# Altium PCB BEE_BOARD.PcbDoc (part 1 of 3) (continued)
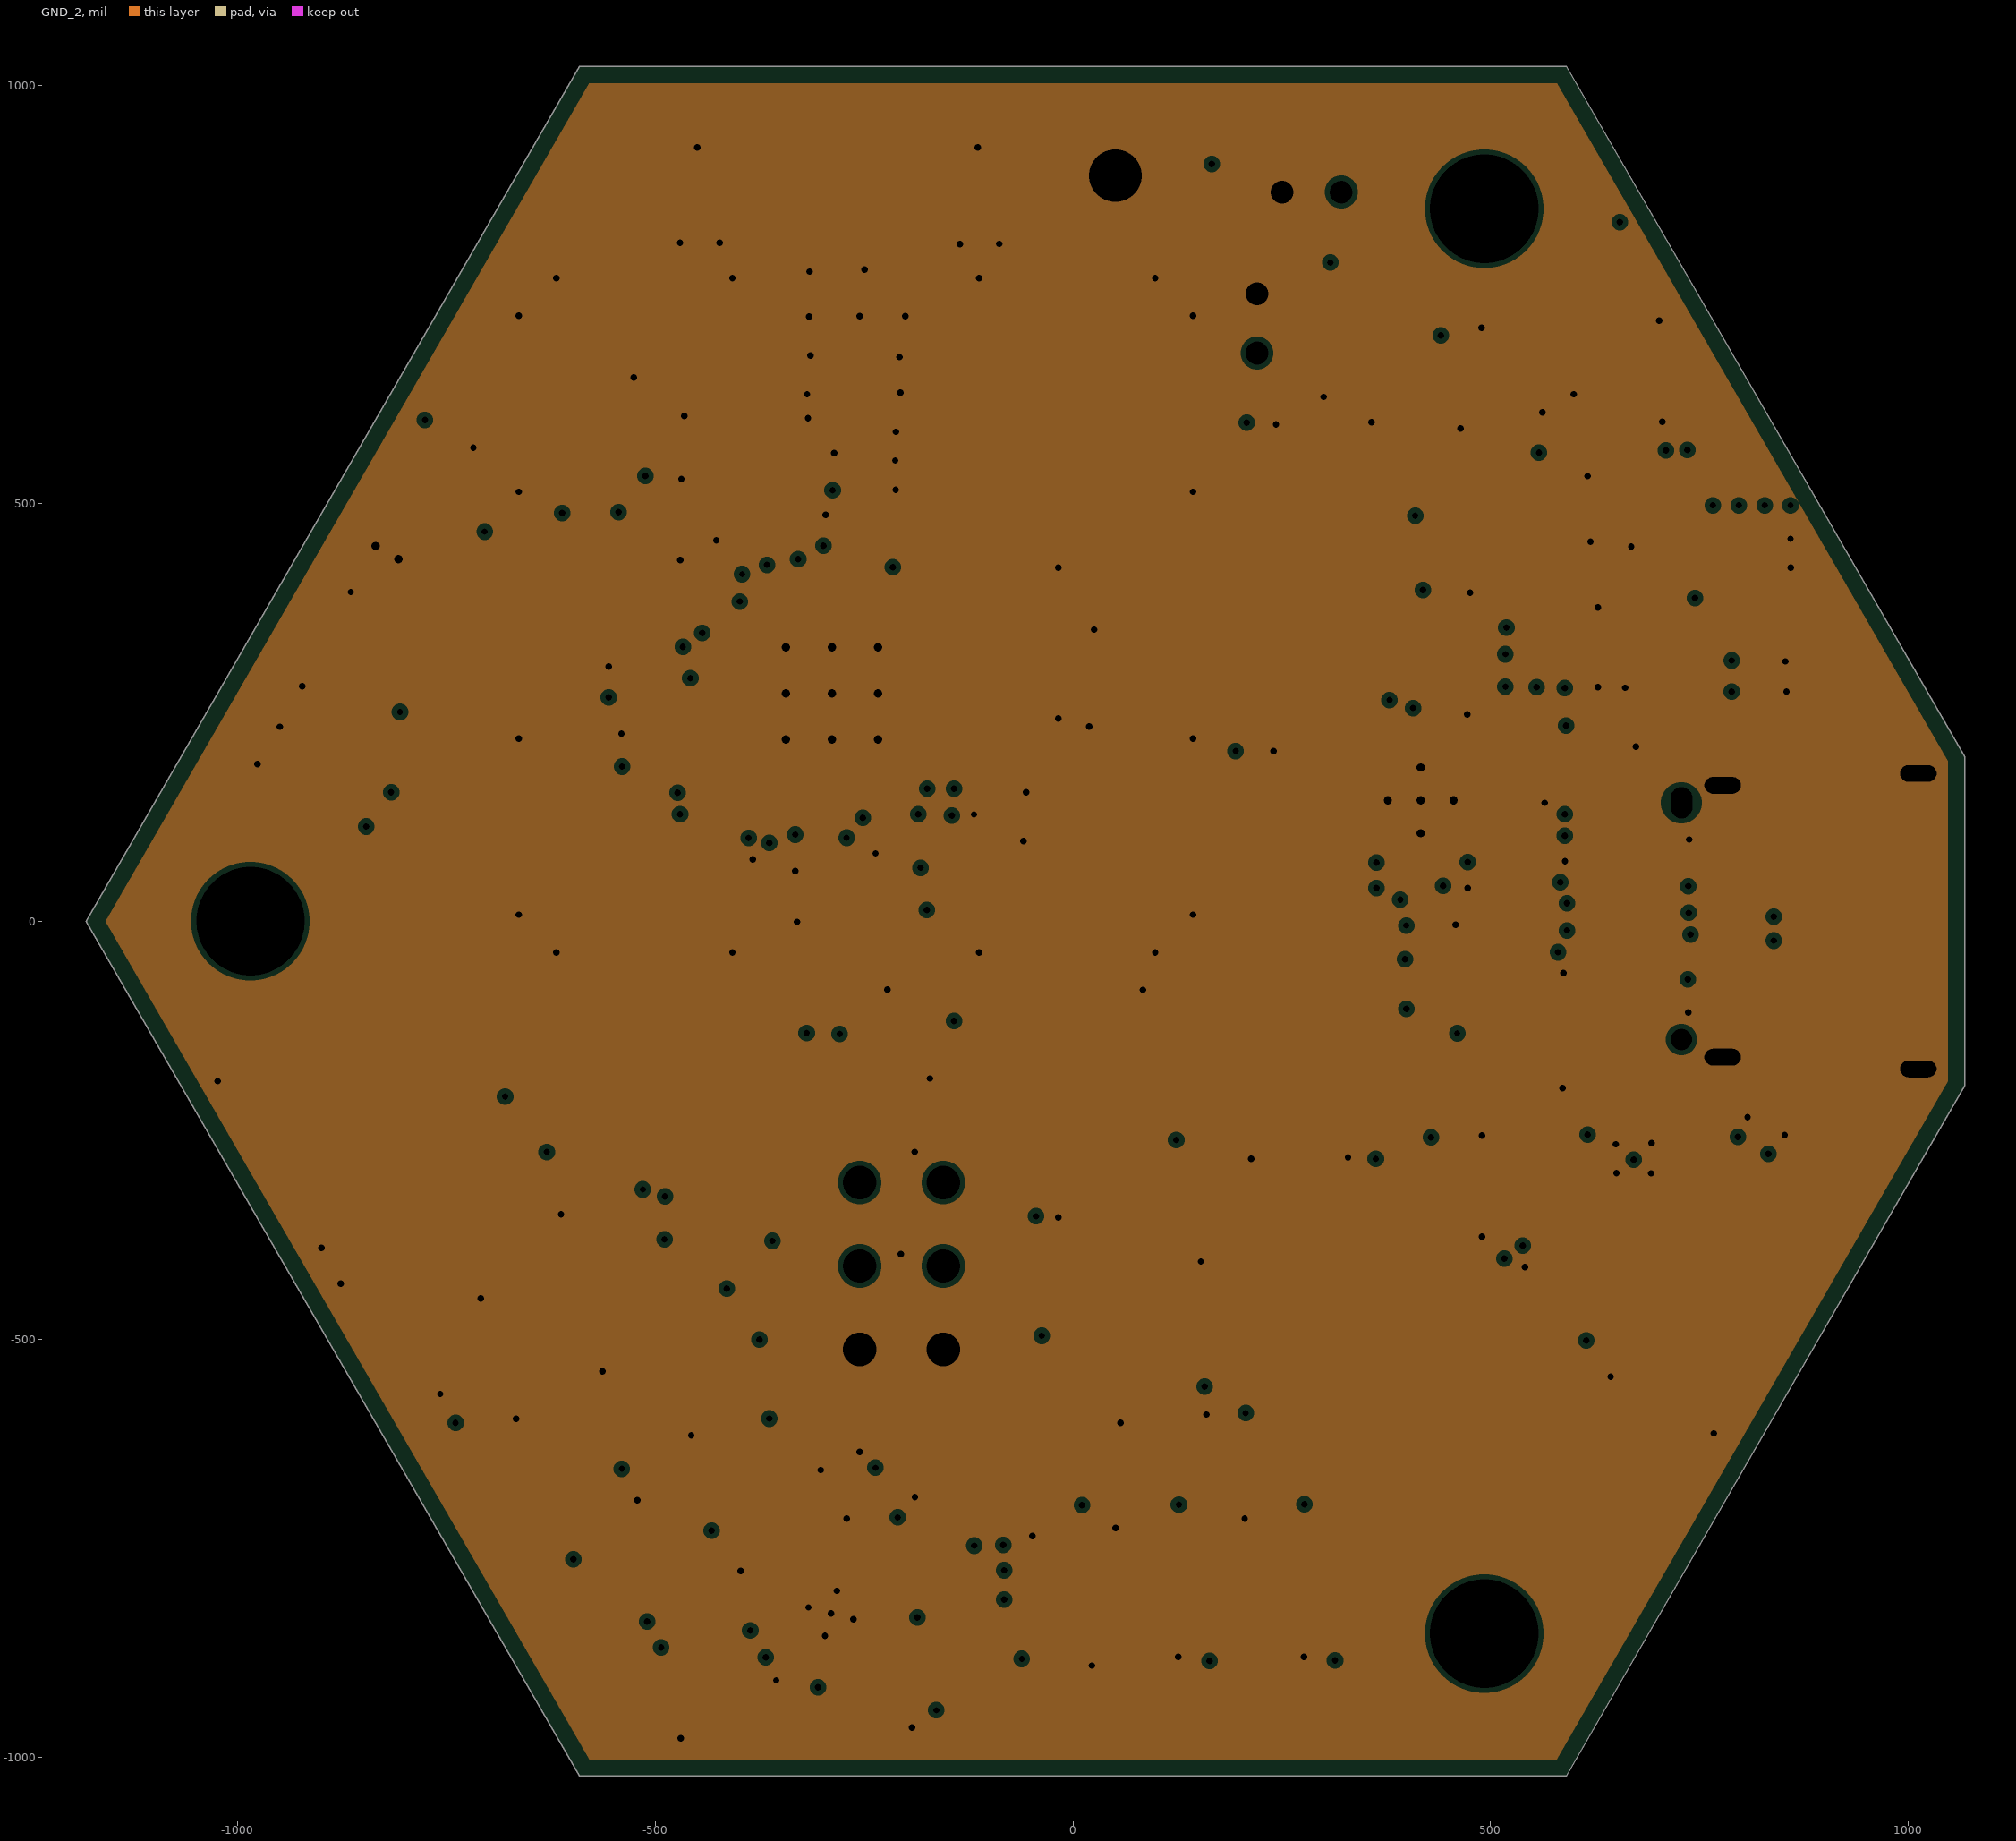
[diagram p4: GND_2, clearances drawn from the general rule]
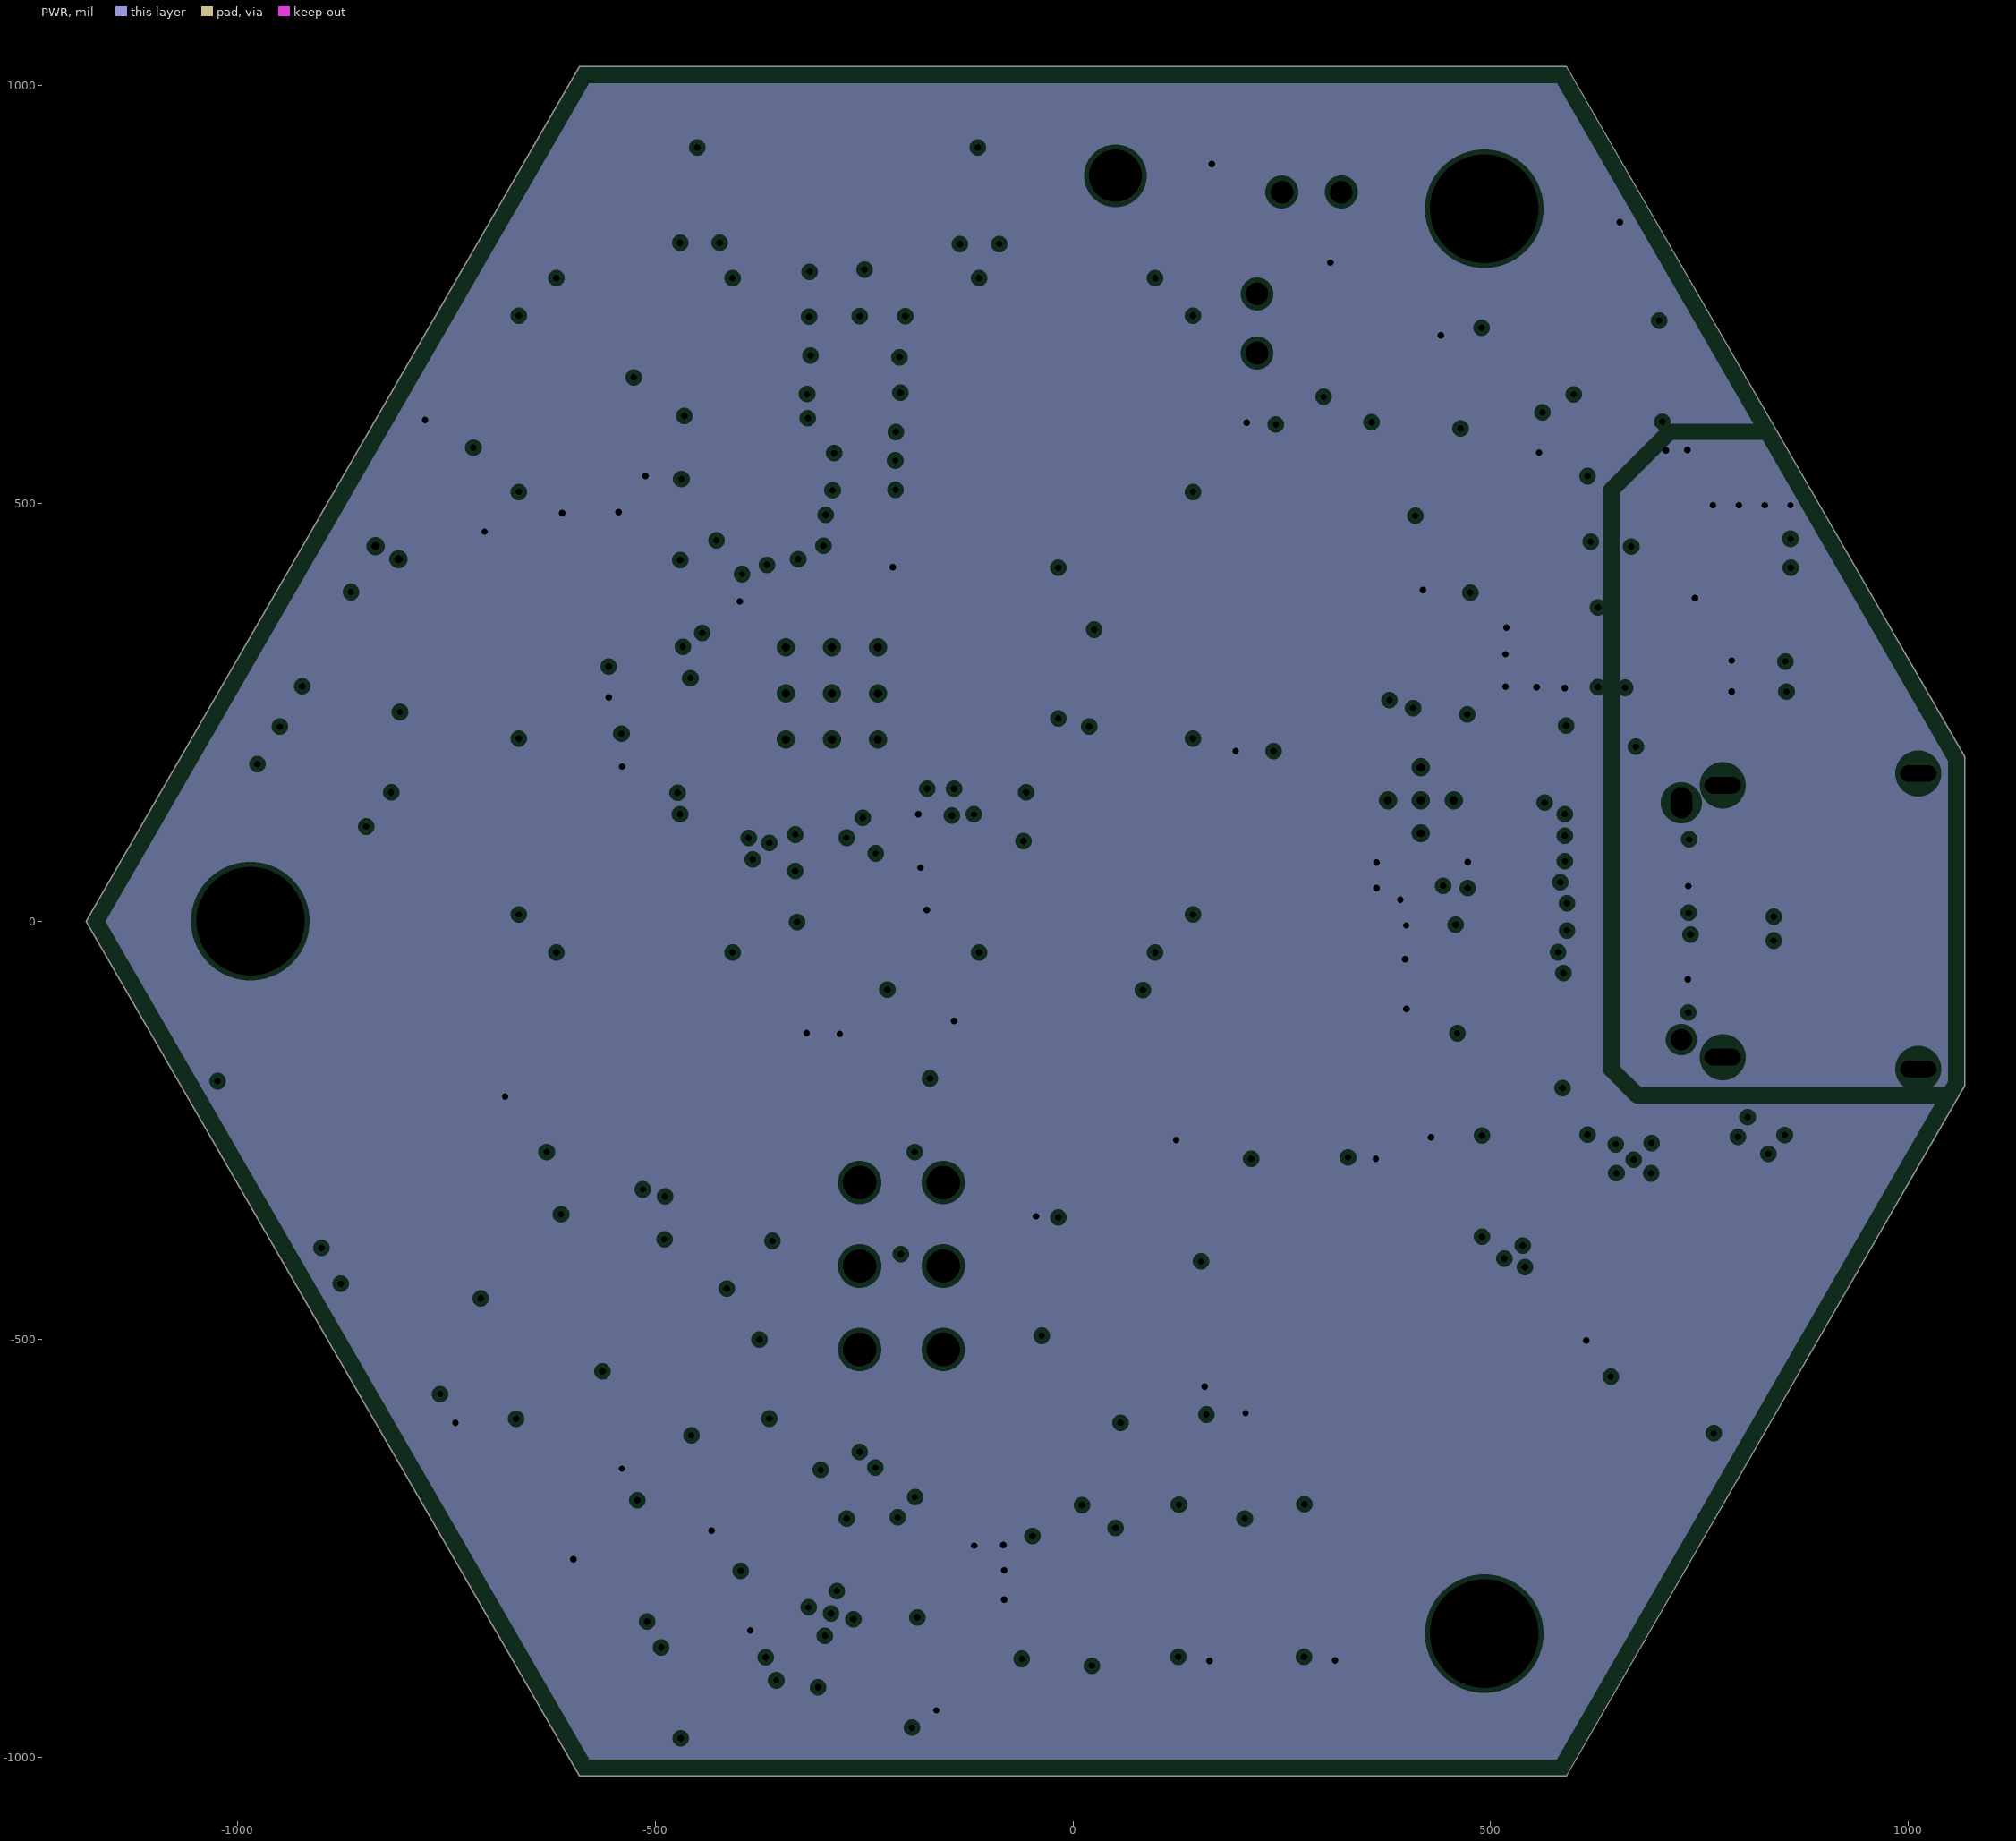
[diagram p5: PWR, clearances drawn from the general rule]
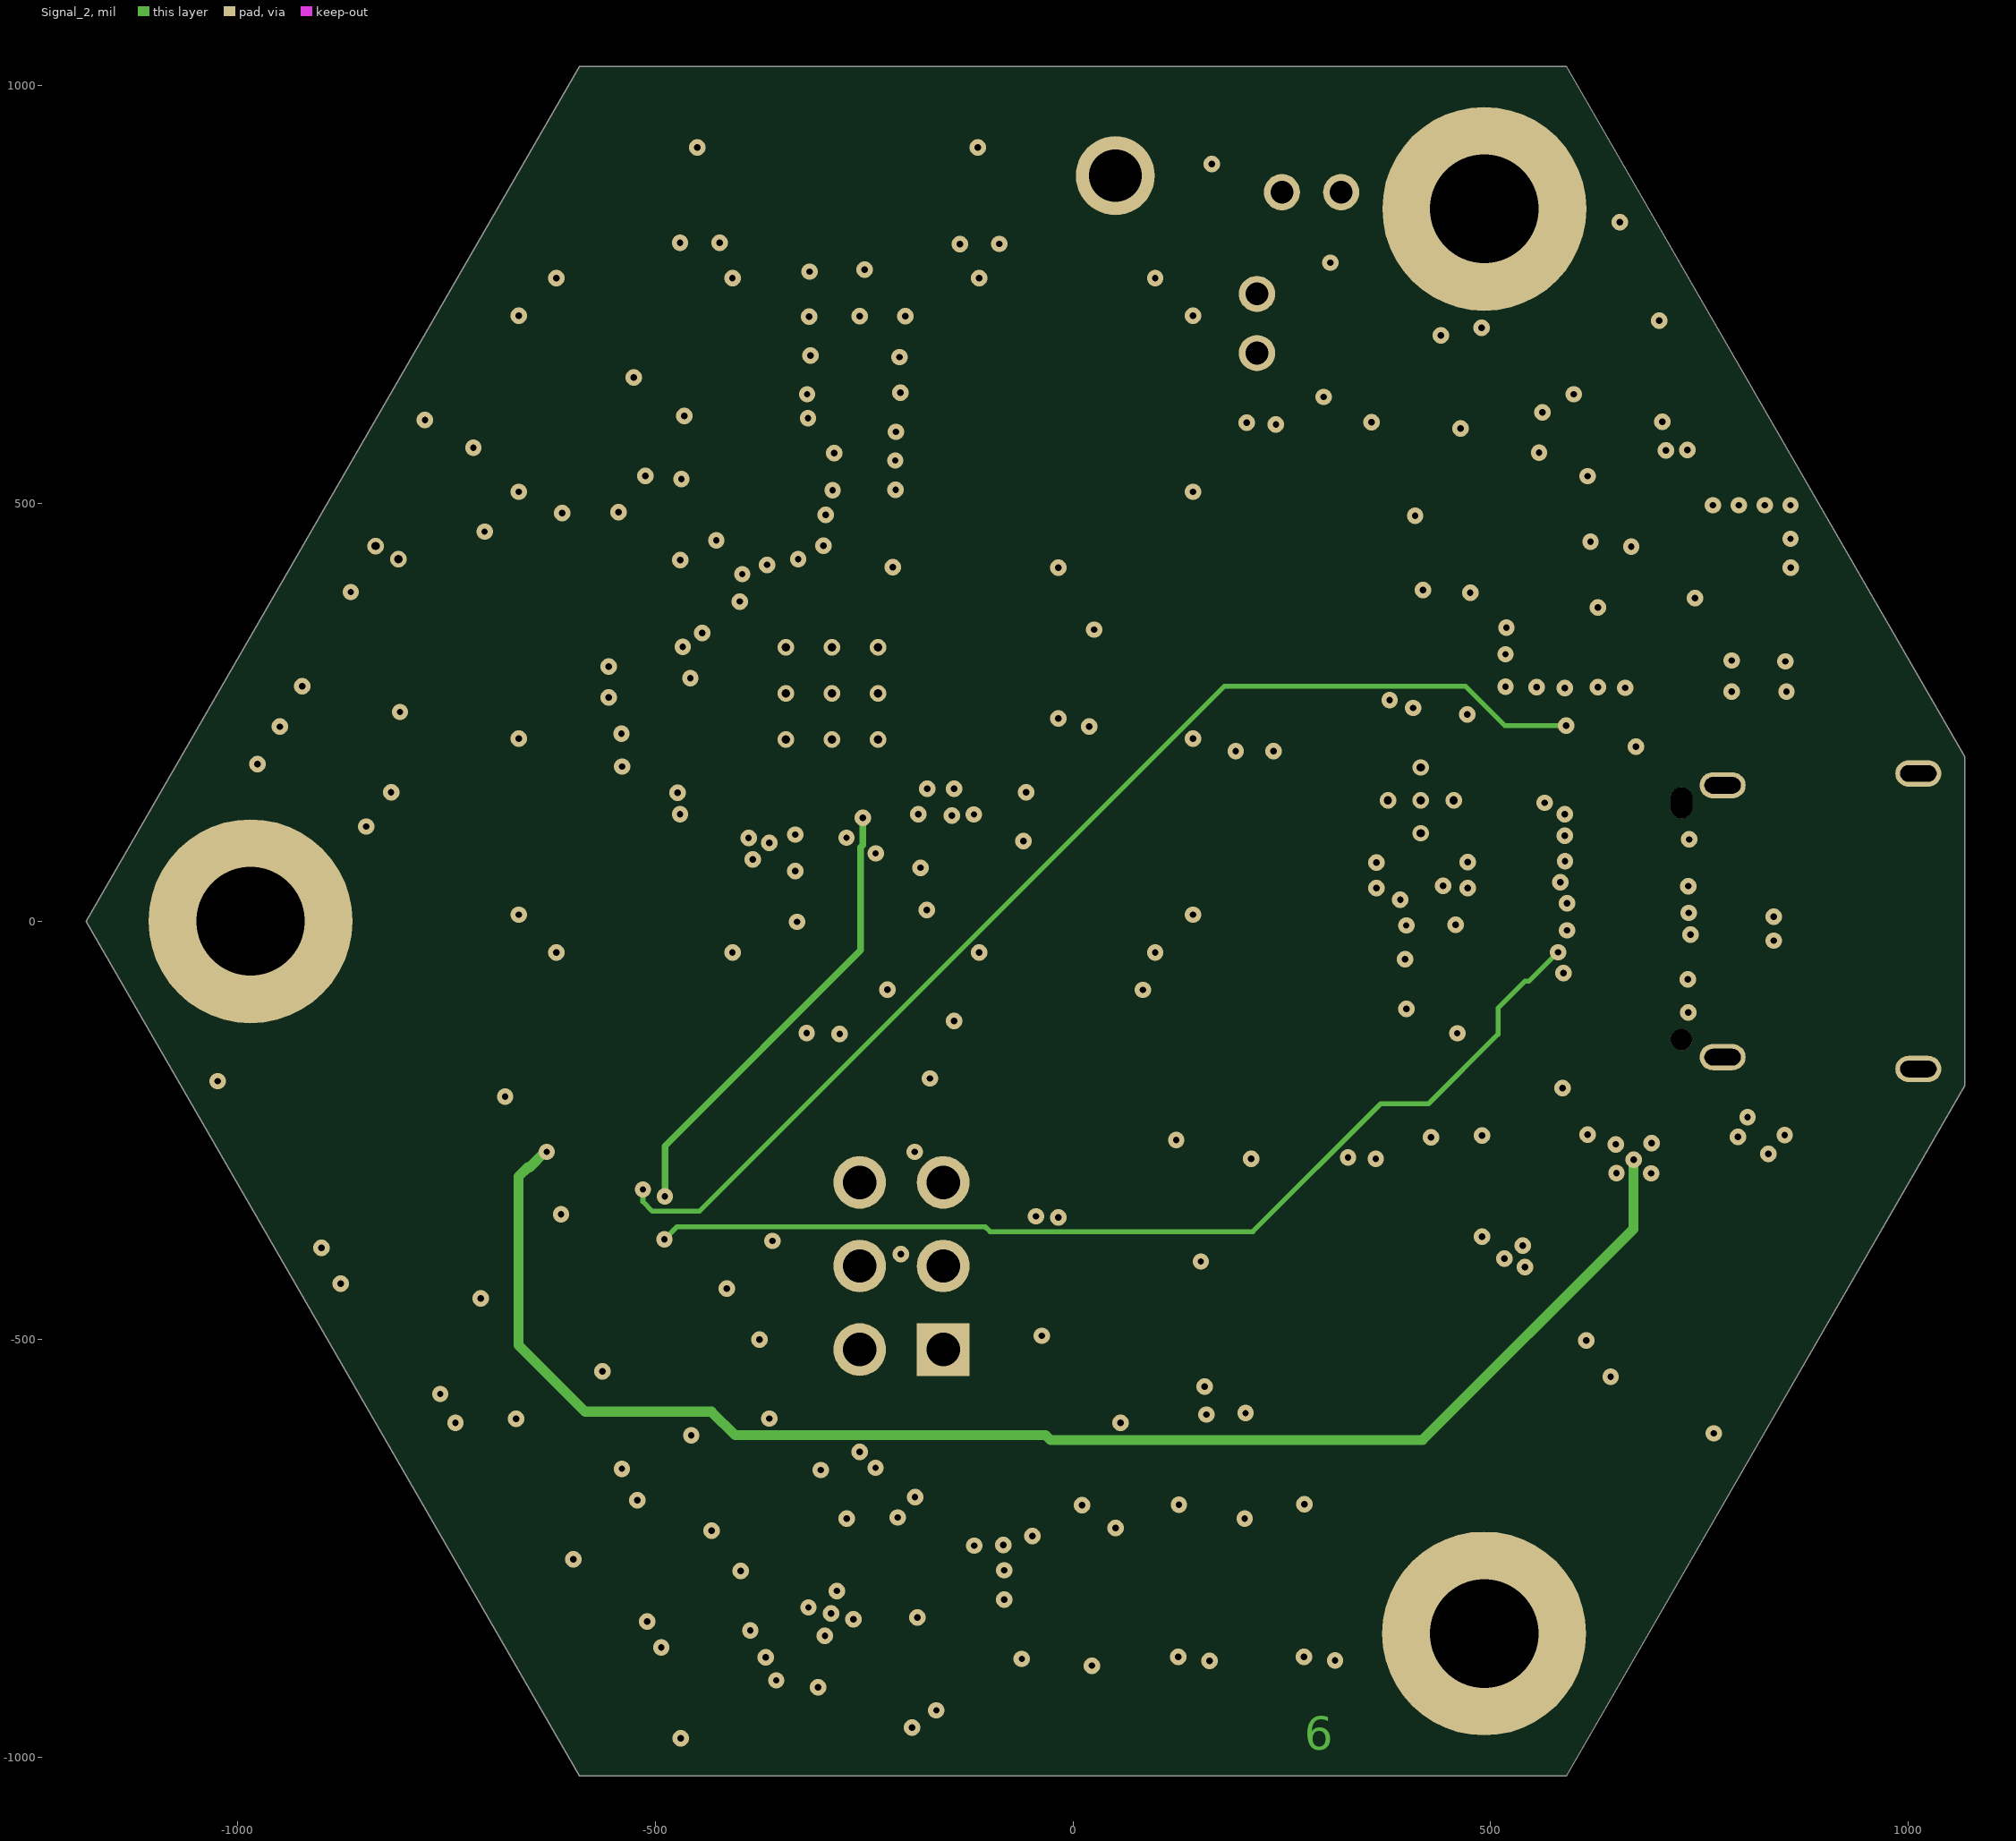
[diagram p6: Signal_2]
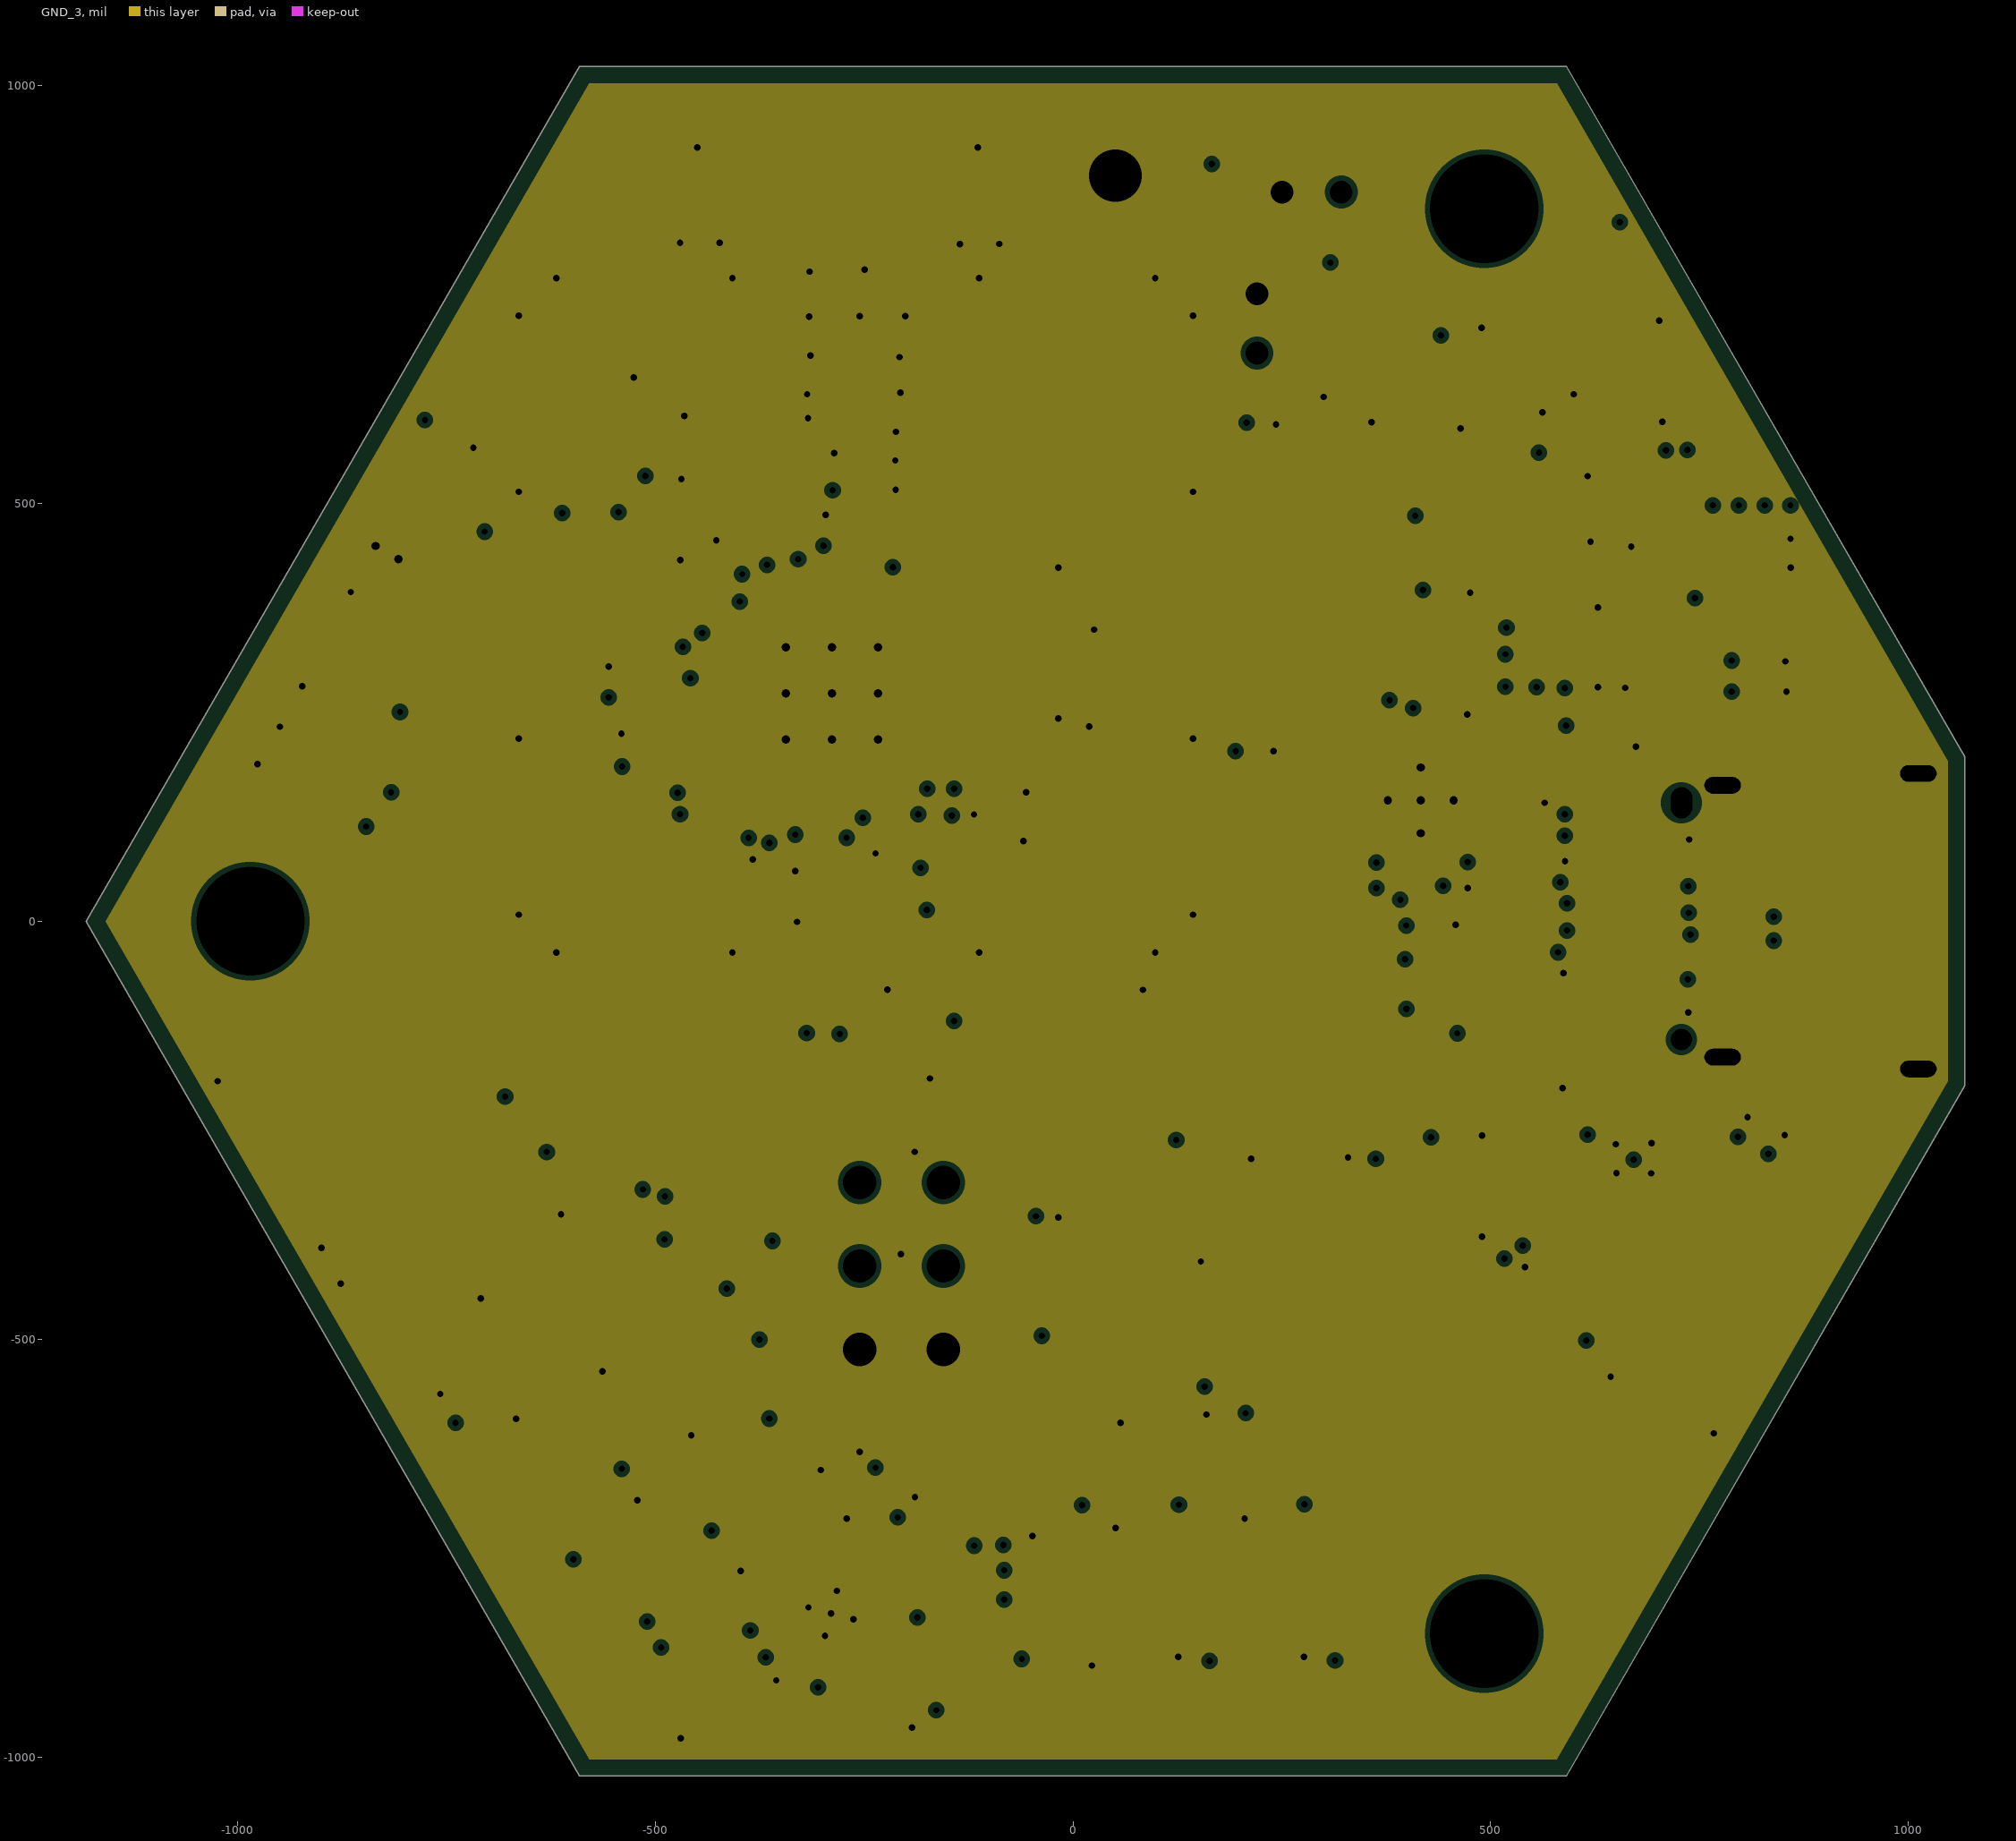
[diagram p7: GND_3, clearances drawn from the general rule]
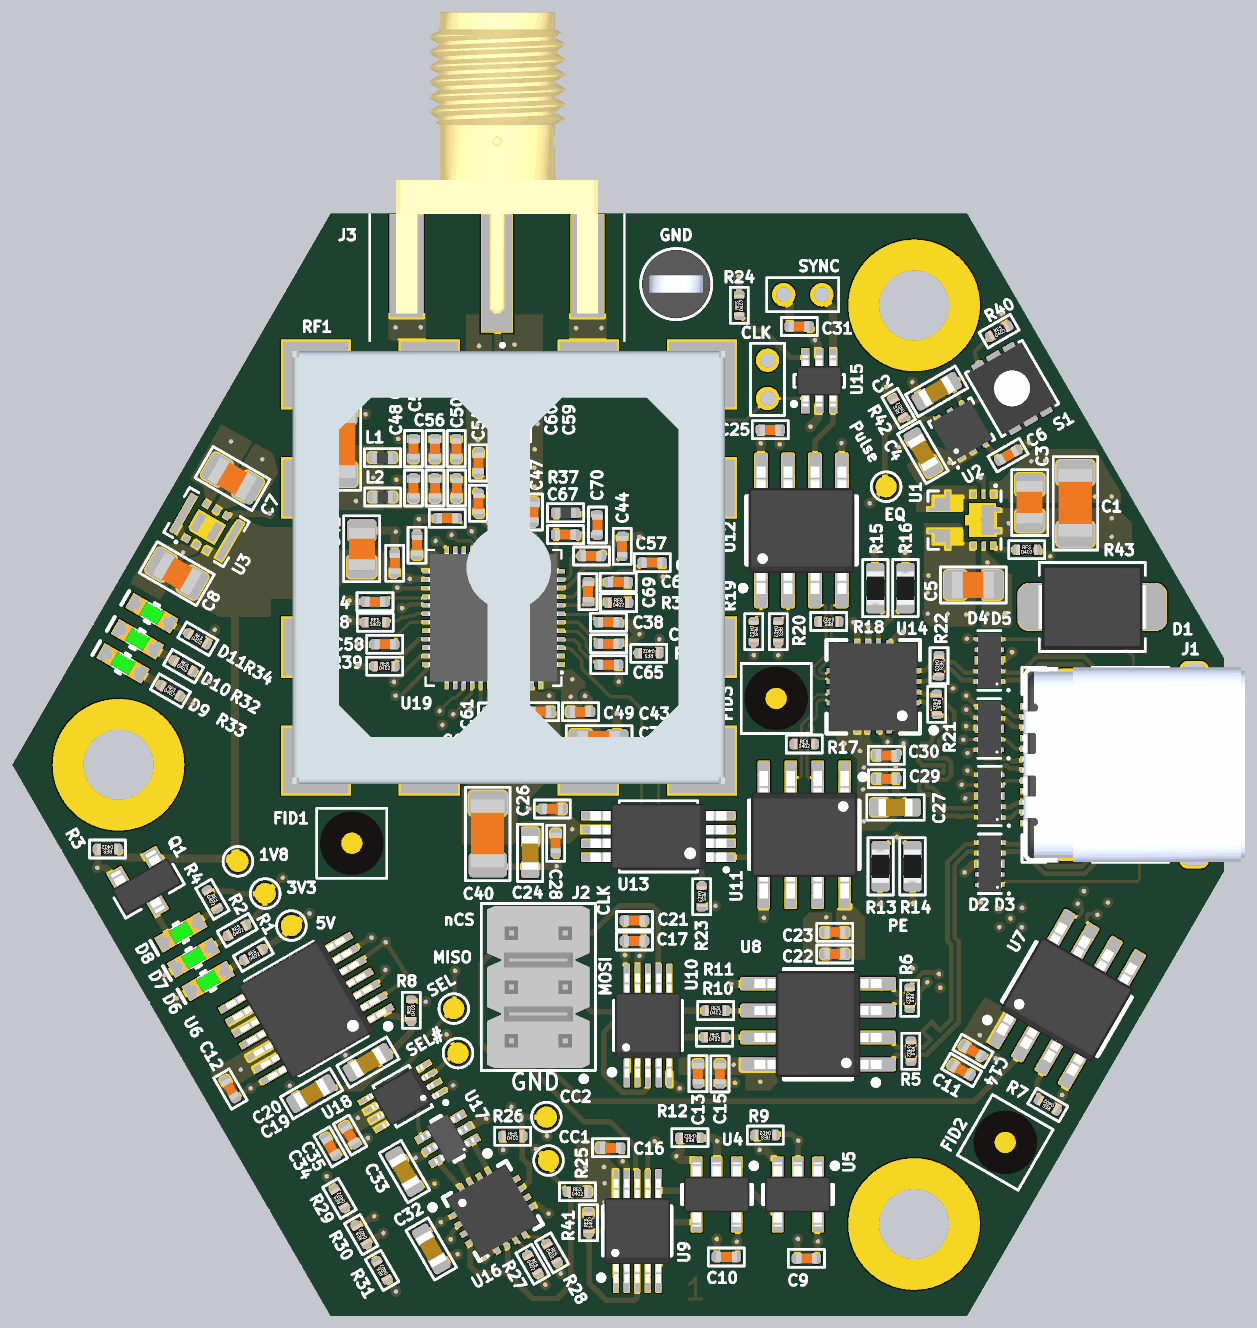
[diagram p10: 3D render of the assembled board from above, using the file's embedded part models]

## Layer stack, top to bottom
Top Solder: solder mask 1, Solder Resist, Dk 4
Top: signal copper 1.378
Dielectric 1: prepreg 7.087, PP-006, Dk 4.29
GND_1: plane copper 1.378, net GND
Dielectric 2: core 7.874, Core-009, Dk 4.5
Signal_1: signal copper 1.378
Dielectric 3: prepreg 7.087, PP-006, Dk 4.29
GND_2: plane copper 1.378, net GND
Dielectric 4: core 7.874, Core-009, Dk 4.5
PWR: plane copper 1.378, net 3V3
Dielectric 5: prepreg 7.087, PP-006, Dk 4.29
Signal_2: signal copper 1.378
Dielectric 6: core 7.874, Core-009, Dk 4.5
GND_3: plane copper 1.378, net GND
Dielectric 8: prepreg 7.087, PP-006, Dk 4.1
Bottom: signal copper 1.378
Bottom Solder: solder mask 0.6, Solder Resist, Dk 3.5

## Board outline
-590.55,-1022.86 -1181.1,0 -590.55,1022.87 590.55,1022.87 1067.45,196.85 1067.45,-196.85 590.55,-1022.86
